# Altium PCB Anchor_PCB.PcbDoc
Units mm, origin at the board's own origin, x right, y up, seen from the top; angles counter-clockwise.
Board outline 91.95 x 85.98 mm, 2 copper layers (Top Layer, Bottom Layer); 130 components, 95 nets, 590 pads, 158 vias.
Unrouted connection lines stored in the file: 1.
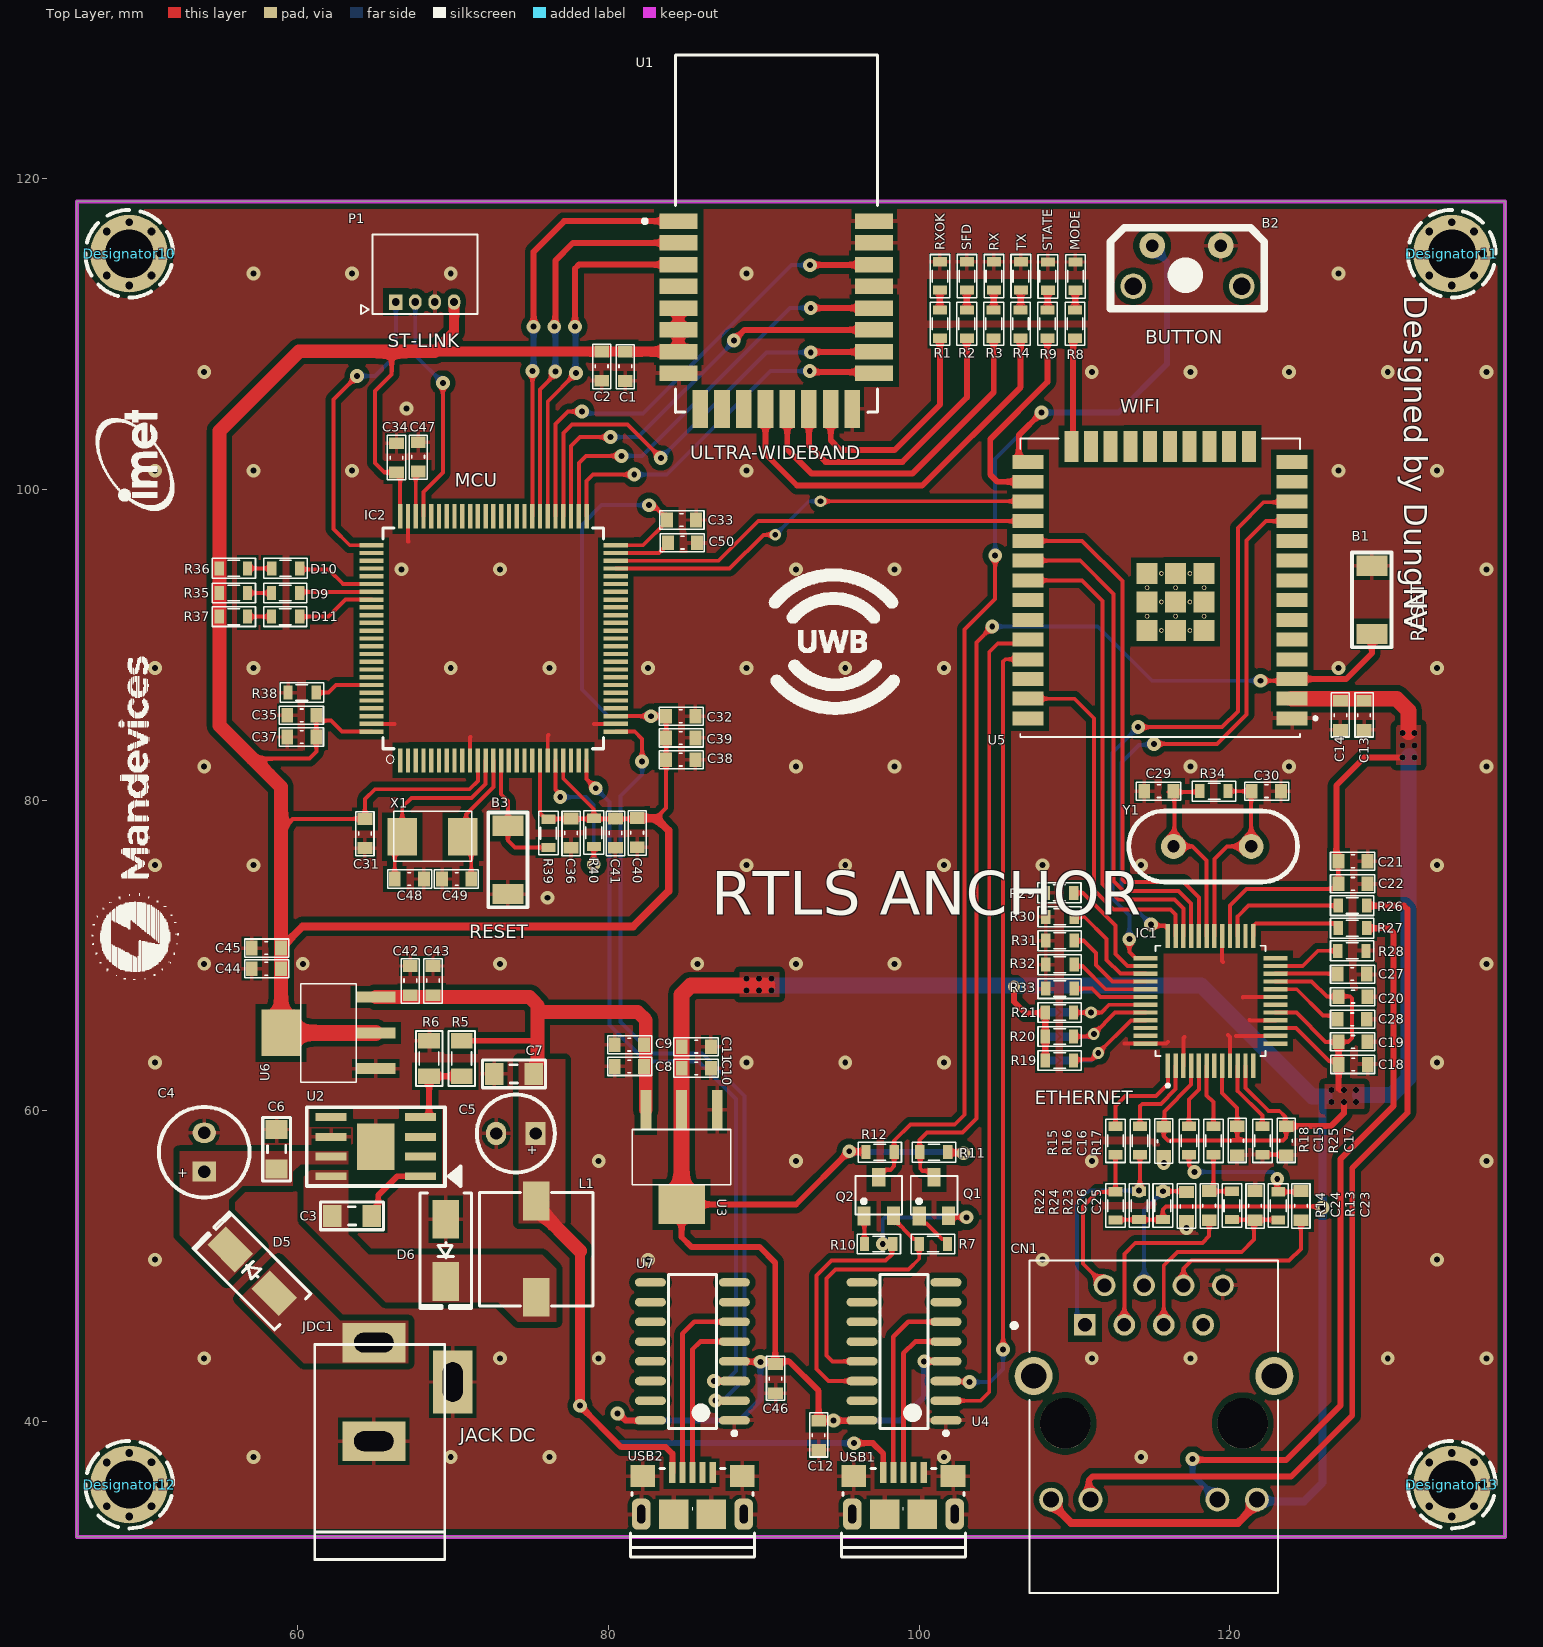
[diagram p0: Top Layer view]
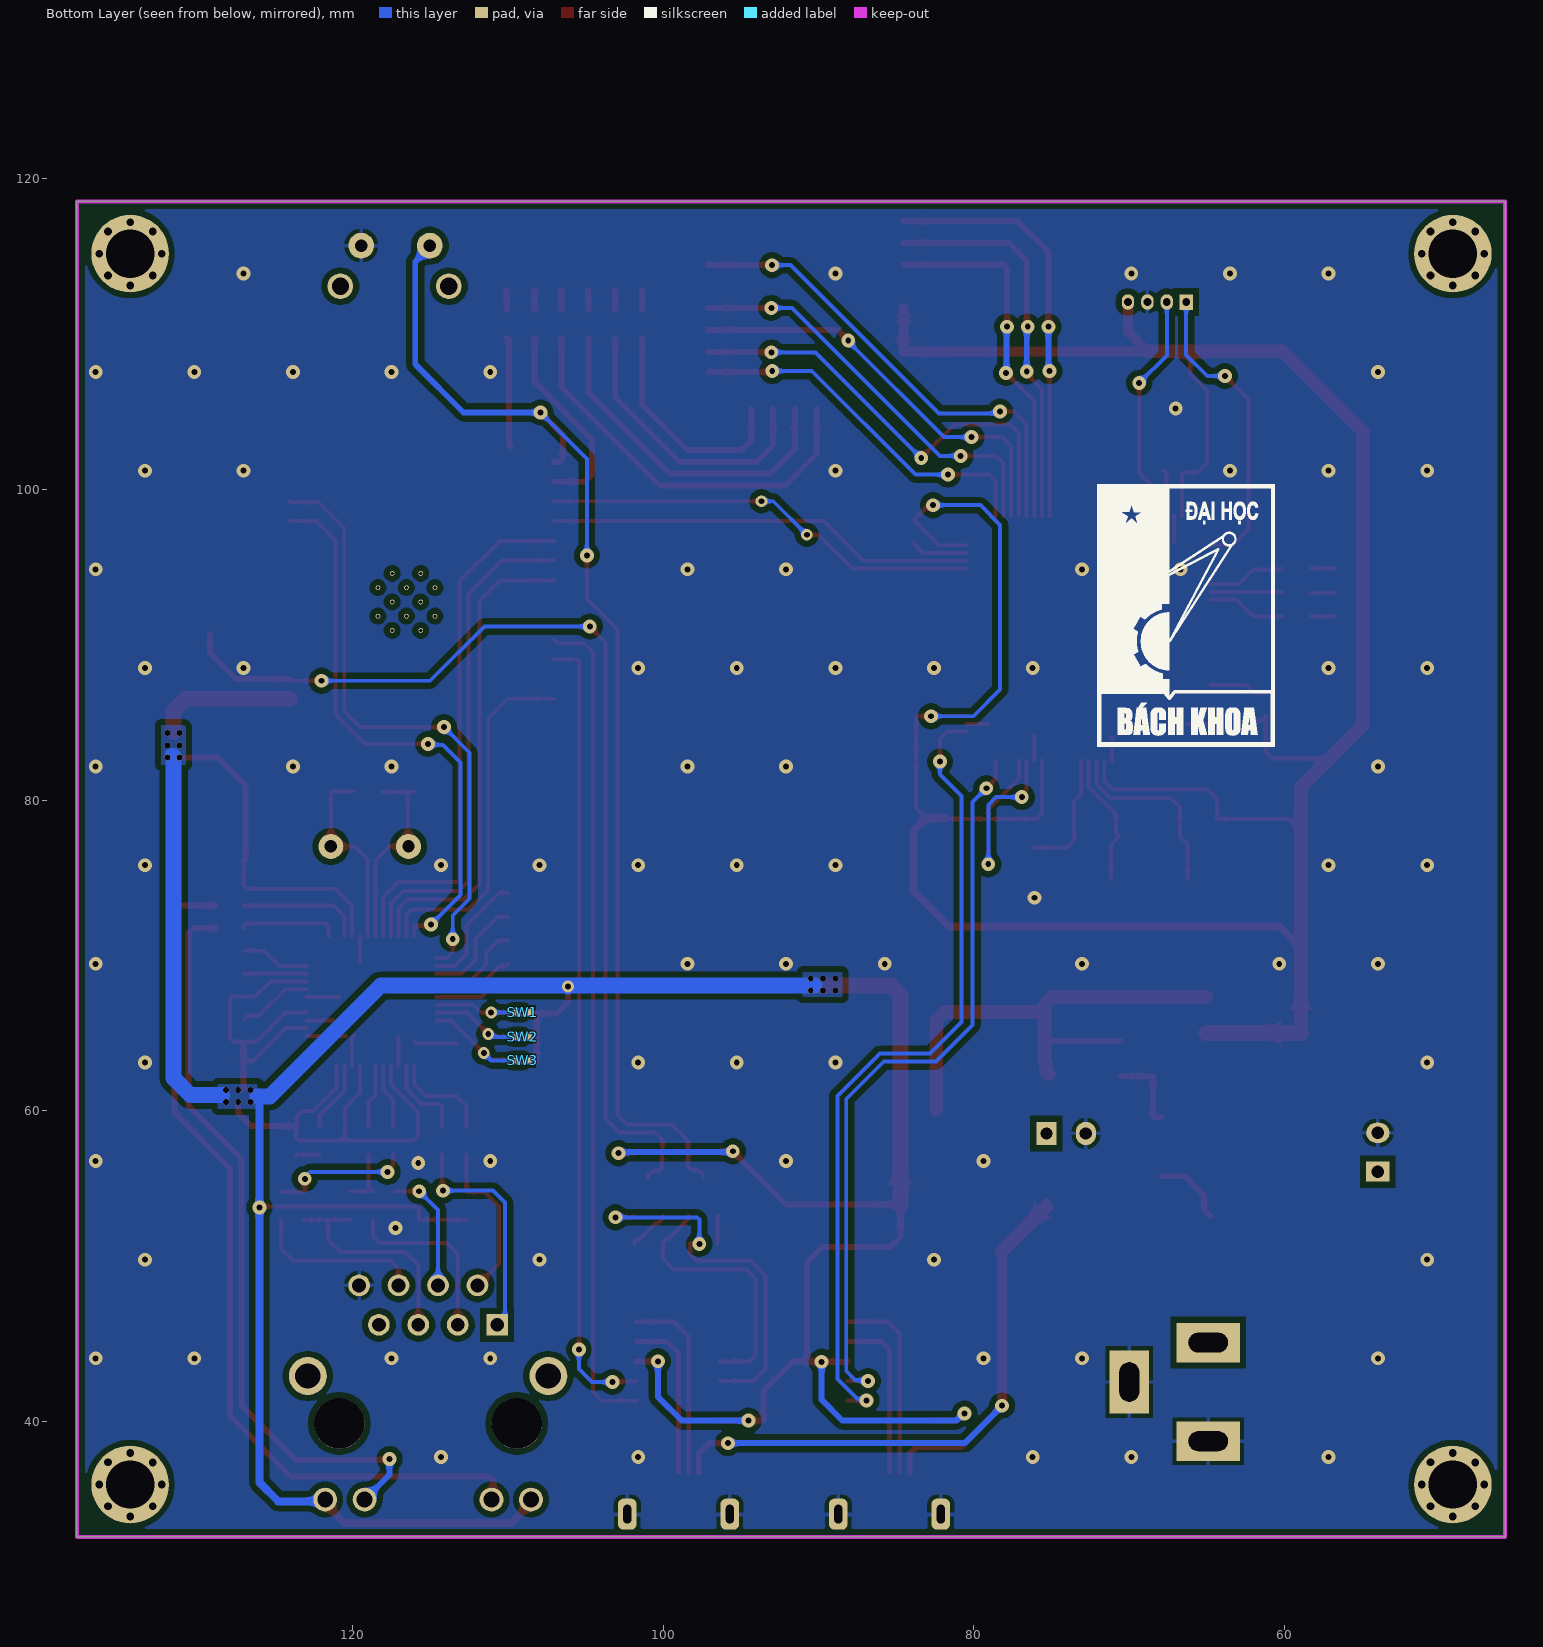
[diagram p1: Bottom Layer view, seen from below]
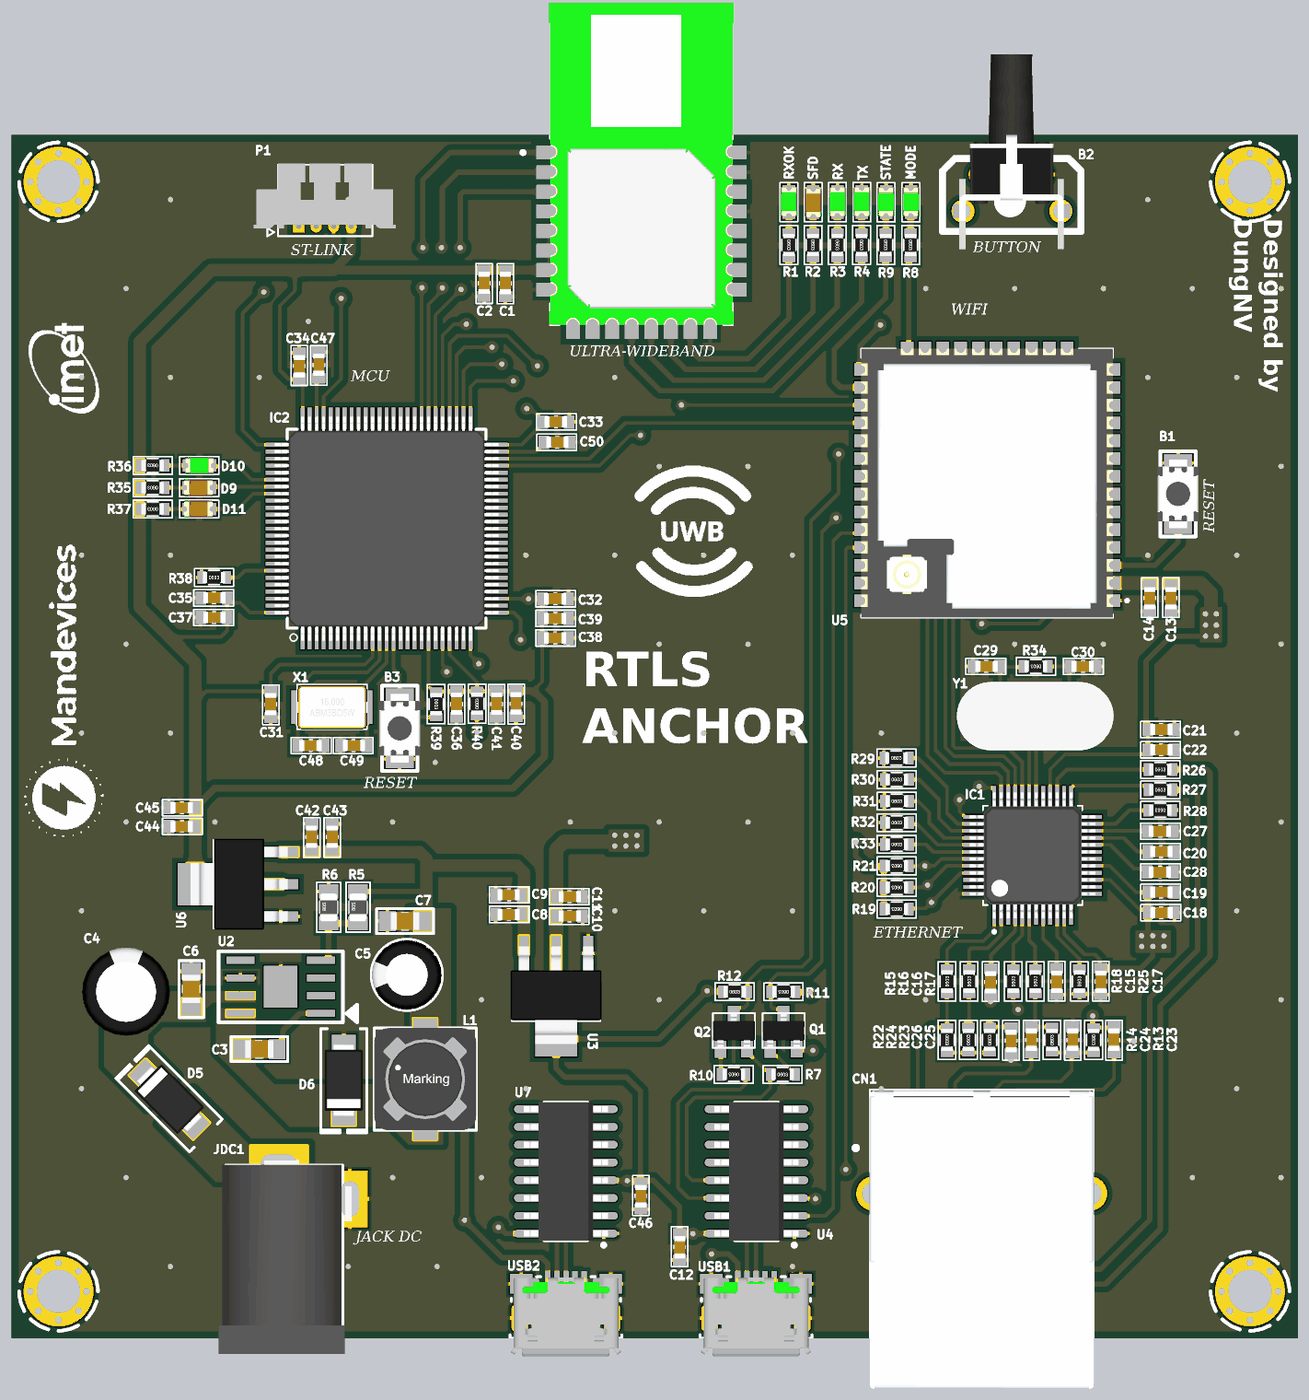
[diagram p2: 3D render of the assembled board from above, using the file's embedded part models]

## Layer stack, top to bottom
Top Solder: solder mask 0.0102, Solder Resist, Dk 3.5
Top Layer: signal copper 0.0356
Dielectric 1: dielectric 0.32, FR-4, Dk 4.8
Bottom Layer: signal copper 0.0356
Bottom Solder: solder mask 0.0102, Solder Resist, Dk 3.5

## Board outline
45.783,32.575 137.731,32.575 137.731,118.554 45.783,118.554

## Design rules (kind name [scope] priority, off if disabled: settings)
Clearance [All] p1: gap=0.203 ignorepadtopadclearanceinfootprint=TRUE except(0: Arc-Hole Track-Hole SMDPad-Hole THPad-Hole Via-Hole Fill-Hole Poly-Hole Region-Hole Text-Hole; 0.381: Arc-Fill Arc-Poly Arc-Region Track-Fill Track-Poly Track-Region SMDPad-Fill SMDPad-Poly SMDPad-Region THPad-Fill THPad-Poly THPad-Region Via-Fill Via-Poly Via-Region Fill-Fill Fill-Poly Fill-Region Poly-Poly Poly-Region Region-Region)
MinimumSolderMaskSliver [All] p1: minsoldermaskwidth=0
PolygonConnect PolygonConnect_GND [InNet('GND')] p1: thpad.connectstyle=Relief thpad.reliefconductorwidth=0.254 thpad.reliefentries=4 thpad.polygonreliefangle="90 Angle" thpad.airgapwidth=0.254 smdpad.connectstyle=Relief smdpad.reliefconductorwidth=0.254 smdpad.reliefentries=4 smdpad.polygonreliefangle="90 Angle" smdpad.airgapwidth=0.254 via.connectstyle=Direct via.reliefconductorwidth=0.254 via.reliefentries=4 via.polygonreliefangle="90 Angle" via.airgapwidth=0.254
PolygonConnect [All] p2: connectstyle=Direct reliefconductorwidth=0.254 reliefentries=4 polygonreliefangle="90 Angle" airgapwidth=0.254
RoutingVias [All] p1: holewidth=0.508 width=1.016 viastyle="Through Hole" minholewidth=0.254 minwidth=0.381 maxholewidth=0.762 maxwidth=1.27
SilkToSilkClearance [All] p1: silktosilkclearance=0
SilkToSolderMaskClearance [IsPad] p1: minsilkscreentomaskgap=0 clearancetoexposedcopper=TRUE
SolderMaskExpansion [All] p1: expansion=0.102 istentingtop=FALSE
Width [All] p1: maxlimit=2.54 minlimit=0.127 preferedwidth=0.254
27 further rules are at their usual default settings.

## Classes and differential pairs
component class U_STM32: B3 C31 C32 C33 C34 C35 C36 C37 C38 C39 C40 C41 C42 C43 C44 C45 C46 C47 C48 C49 C50 D9 D10 D11 IC2 P1 R35 R36 R37 R38 R39 R40 U6 U7 USB2 X1
component class U_ESP32: B1 B2 C8 C9 C10 C11 C12 C13 C14 MODE Q1 Q2 R7 R8 R9 R10 R11 R12 U3 U4 U5 USB1 WiFi
component class U_POWER: C3 C4 C5 C6 C7 D5 D6 JDC1 L1 R5 R6 U2
component class U_ETHERNET: C15 C16 C17 C18 C19 C20 C21 C22 C23 C24 C25 C26 C27 C28 C29 C30 CN1 IC1 R13 R14 R15 R16 R17 R18 R19 R20 R21 R22 R23 R24 R25 R26 R27 R28 R29 R30 R31 R32 R33 R34 SW1 SW2 SW3 Y1
component class U_DW1000: C1 C2 R1 R2 R3 R4 RX RXOK SFD TX U1

## Components (designator, comment, footprint, x,y, rotation, side; value= is the part's Value field where it differs from the comment)
B1 "Button 3x4x2.5" "Button 3x4x2.5" 129.159,92.9 r270 top
B2 "Button 3x4x2.5" "BUTTON NGHIENG" 117.653,115.456 r180 top
B3 "Button 3x4x2.5" "Button 3x4x2.5" 73.533,76.159 r90 top
C1 "10uF" CAP_0603 81.09,107.937 r90 top value=33p
C2 "100nF" CAP_0603 79.566,107.95 r90 top value=33p
C3 "10nF" CAP_0805 63.5,53.213 r180 top value=33p
C4 "100uF/50V" C8mm 53.975,57.34 r90 top
C5 "220uF/16V" C5mm 74.041,58.547 r180 top
C6 "4.7uF" CAP_0805 58.61,57.531 r90 top value=33p
C7 "100nF" CAP_0805 73.914,62.357 r180 top value=33p
C8 "10uF" CAP_0603 81.343,62.865 r180 top value=33p
C9 "100nF" CAP_0603 81.343,64.262 r180 top value=33p
C10 "10uF" CAP_0603 85.661,62.738 r0 top value=33p
C11 "100nF" CAP_0603 85.661,64.135 r0 top value=33p
C12 "100nF" CAP_0603 93.535,39.116 r270 top value=33p
C13 "100nF" CAP_0603 128.651,85.471 r270 top value=33p
C14 "10uF" CAP_0603 127.127,85.471 r270 top value=33p
C15 "100nF" CAP_0603 120.481,58.077 r270 top value=33p
C16 "100nF" CAP_0603 115.76,58.039 r270 top value=33p
C17 "100nF" CAP_0603 123.634,58.077 r270 top value=33p
C18 "100nF" CAP_0603 127.953,62.992 r0 top value=33p
C19 "100nF" CAP_0603 127.94,64.445 r0 top value=33p
C20 "100nF" CAP_0603 127.94,67.352 r0 top value=33p
C21 "100nF" CAP_0603 127.94,76.073 r0 top value=33p
C22 "22uF" CAP_0603 127.94,74.62 r0 top value=33p
C23 "6.8nF" CAP_0603 124.587,53.899 r90 top value=33p
C24 "10nF" CAP_0603 121.634,53.899 r90 top value=33p
C25 "6.8nF" CAP_0603 118.681,53.899 r90 top value=33p
C26 "6.8nF" CAP_0603 117.221,53.848 r270 top value=33p
C27 "10nF" CAP_0603 127.889,68.806 r180 top value=33p
C28 "4.7uF" CAP_0603 127.889,65.899 r180 top value=33p
C29 "18pF" CAP_0603 115.443,80.581 r0 top value=33p
C30 "18pF" CAP_0603 122.364,80.581 r180 top value=33p
C31 "100nF" CAP_0603 64.325,77.864 r90 top value=33p
C32 "100nF" CAP_0603 84.658,85.407 r180 top value=33p
C33 "100nF" CAP_0603 84.709,98.044 r180 top value=33p
C34 "100nF" CAP_0603 66.358,102.044 r270 top value=33p
C35 "100nF" CAP_0603 60.261,85.471 r0 top value=33p
C36 "100nF" CAP_0603 77.597,77.886 r90 top value=33p
C37 "4.7uF" CAP_0603 60.261,84.074 r0 top value=33p
C38 "100nF" CAP_0603 84.658,82.614 r180 top value=33p
C39 "1uF" CAP_0603 84.658,84.01 r180 top value=33p
C40 "100nF" CAP_0603 81.852,77.915 r90 top value=33p
C41 "1uF" CAP_0603 80.454,77.886 r90 top value=33p
C42 "10uF" CAP_0603 67.246,68.389 r90 top value=33p
C43 "100nF" CAP_0603 68.707,68.389 r90 top value=33p
C44 "10uF" CAP_0603 57.975,69.151 r180 top value=33p
C45 "100nF" CAP_0603 57.975,70.485 r180 top value=33p
C46 "100nF" CAP_0603 90.765,42.759 r270 top value=33p
C47 "2.2uF" CAP_0603 67.754,102.108 r90 top value=33p
C48 "22pF" CAP_0603 67.183,74.93 r180 top value=33p
C49 "22pF" CAP_0603 70.231,74.93 r0 top value=33p
C50 "2.2uF" CAP_0603 84.772,96.584 r0 top value=33p
CN1 "HR911105A" HR911105A 115.948,37.224 r180 top
D5 "SS34" "DIODE SMA" 57.069,49.674 r135 top value="Diode c?m 1N5408"
D6 "SS34" "DIODE SMA" 69.532,51.022 r270 top value="Diode c?m 1N5408"
D9 "RED" LED-0603-Red 59.245,93.345 r0 top value="LED 3 ly Single Colour"
D10 "GREEN" LED-0603-Green 59.335,94.958 r0 top value="LED 3 ly Single Colour"
D11 "YELLOW" LED-0603-Red 59.245,91.821 r0 top value="LED 3 ly Single Colour"
Designator10 "Comment" HOLD 49.149,115.189 r0 top
Designator11 "Comment" HOLD 134.302,115.189 r0 top
Designator12 "Comment" HOLD 49.149,35.941 r0 top
Designator13 "Comment" HOLD 134.302,35.941 r0 top
IC1 "W5500" W5500 118.3,67.183 r90 top
IC2 "STM32F407VET6" STM32F407VET6 71.945,90.614 r90 top
JDC1 "Jac DC" DC-IN 67.437,41.91 r90 top
L1 "22uH" L_SMD 75.501,50.8 r180 top value="150 mH"
MODE "BLUE" LED-0603-Green 110.045,113.855 r90 top value="LED 3 ly Single Colour" (schematic designator D7)
P1 "ST_LINK" HEADER4P-1.25 68.255,112.078 r0 top
Q1 "C1815" SOT23D 100.965,54.483 r0 top
Q2 "C1815" SOT23D 97.409,54.483 r0 top
R1 "330R" RES-SMD-0603 101.346,110.68 r270 top
R2 "330R" RES-SMD-0603 103.076,110.68 r270 top
R3 "330R" RES-SMD-0603 104.807,110.68 r270 top
R4 "330R" RES-SMD-0603 106.537,110.68 r270 top
R5 "10k" RES-SMD-0805 70.549,63.373 r90 top
R6 "3.3k" RES-SMD-0805 68.453,63.373 r90 top
R7 "10k" RES-SMD-0603 100.901,51.435 r0 top
R8 "330R" RES-SMD-0603 110.045,110.68 r270 top
R9 "330R" RES-SMD-0603 108.267,110.68 r270 top
R10 "10k" RES-SMD-0603 97.409,51.435 r180 top
R11 "10k" RES-SMD-0603 100.965,57.34 r180 top
R12 "10k" RES-SMD-0603 97.473,57.34 r0 top
R13 "49.9R" RES-SMD-0603 123.126,53.9 r270 top
R14 "49.9R" RES-SMD-0603 120.142,53.9 r90 top
R15 "33R" RES-SMD-0603 112.649,58.076 r90 top
R16 "33R" RES-SMD-0603 114.225,58.076 r90 top
R17 "33R" RES-SMD-0603 117.378,58.076 r90 top
R18 "33R" RES-SMD-0603 118.955,58.076 r90 top
R19 "10k" RES-SMD-0603 109.055,63.246 r180 top
R20 "10k" RES-SMD-0603 109.055,64.788 r180 top
R21 "10k" RES-SMD-0603 109.055,66.33 r180 top
R22 "49.9R" RES-SMD-0603 112.649,53.9 r270 top
R23 "10R" RES-SMD-0603 115.697,53.9 r90 top
R24 "49.9R" RES-SMD-0603 114.173,53.9 r90 top
R25 "12.4k" RES-SMD-0603 122.108,58.076 r90 top
R26 "330R" RES-SMD-0603 127.888,73.216 r0 top
R27 "330R" RES-SMD-0603 127.888,71.763 r0 top
R28 "10k" RES-SMD-0603 127.888,70.309 r180 top
R29 "10k" RES-SMD-0603 109.029,74.041 r0 top
R30 "10k" RES-SMD-0603 109.055,72.499 r0 top
R31 "10k" RES-SMD-0603 109.055,70.957 r0 top
R32 "10k" RES-SMD-0603 109.055,69.415 r0 top
R33 "10k" RES-SMD-0603 109.055,67.872 r0 top
R34 "1M" RES-SMD-0603 118.999,80.581 r180 top
R35 "1k" RES-SMD-0603 55.88,93.345 r180 top
R36 "1k" RES-SMD-0603 55.88,94.932 r180 top
R37 "1k" RES-SMD-0603 55.88,91.821 r180 top
R38 "100k" RES-SMD-0603 60.262,86.931 r0 top
R39 "10k" RES-SMD-0603 76.136,77.887 r270 top
R40 "0R" RES-SMD-0603 79.057,77.915 r90 top
RX "GREEN" LED-0603-Green 104.794,113.868 r90 top value="LED 3 ly Single Colour" (schematic designator D3)
RXOK "BLUE" LED-0603-Green 101.321,113.868 r90 top value="LED 3 ly Single Colour" (schematic designator D1)
SFD "RED" LED-0603-Red 103.083,113.792 r90 top value="LED 3 ly Single Colour" (schematic designator D2)
STATE "BLUE" LED-0603-Green 108.267,113.855 r90 top value="LED 3 ly Single Colour" (schematic designator D8)
SW1 "SW" SW 109.535,66.583 r90 bottom
SW2 "SW" SW 109.549,64.995 r90 bottom
SW3 "SW" SW 109.535,63.471 r90 bottom
TX "YELLOW" LED-0603-Green 106.531,113.868 r90 top value="LED 3 ly Single Colour" (schematic designator D4)
U1 "DWM1000" DW1000 90.788,116.484 r0 top
U2 "TPS5430" TPS5430-2 65.024,57.696 r180 top
U3 "LM1117-ADJ" LM1117-SOP 84.709,58.801 r180 top
U4 "CH340C" SO16 99.029,44.514 r180 top
U5 "ESP32-WROOM-32" ESP32_UE 115.731,87.177 r180 top
U6 "LM1117-ADJ" LM1117-SOP 63.754,65.024 r90 top
U7 "CH340C" SO16 85.407,44.514 r180 top
USB1 "USB Micro 5p DIP" "USB Micro 5p DIP" 98.996,34.036 r0 top
USB2 "USB Micro 5p DIP" "USB Micro 5p DIP" 85.414,34.036 r0 top
X1 "8Mhz" "XTAL 5032 SMD" 68.707,77.659 r0 top value=4Mhz
Y1 "25MHz" XTAL 118.935,77.025 r0 top

## Footprints (in the part's own frame and the unit in brackets; to place one, negate y for a bottom-side part, rotate by r counter-clockwise, add the part's x,y. Pads: shape width x height; smd on the part's side, far side on the other; paste and mask are expansions set on the pad)
"Button 3x4x2.5" [mm]
  rect 1.3x2 smd: 1(-2.2,0) 2(2.2,0)
  silkscreen extent -3.05,-1.27 3.05,1.27, body extent -2.45,-1.45 2.45,1.45, height 2
"BUTTON NGHIENG" [mil] "BUTTON NGHIENG"
  round 65 hole 43.31: 0(-123,93) 0(152,93)
  round 65 hole 31.5: 1(-70,-10) 2(104,-10)
  silkscreen extent -180,-55 210,150, body extent -150,-348 180,200, height 494
C5mm [mm]
  rect 1.3x1.5 hole 0.8: 1(-1.27,0)
  oval 1.3x1.5 hole 0.8: 2(1.27,0)
  silkscreen extent -2.51,-2.51 2.51,2.51, body extent -2.5,-2.5 2.49,2.5, height 11.01
C8mm [mm]
  rect 1.3x1.5 hole 0.8: 1(-1.25,0)
  oval 1.3x1.5 hole 0.8: 2(1.25,0)
  silkscreen extent -2.92,-2.92 2.92,2.92, body extent -3.15,-3.15 3.16,3.15, height 11.51
CAP_0603 [mil]
  rect 30x37.4 smd mask+3: 1(-37,0) 2(37,0)
  silkscreen extent -57,-23 55,23, body extent -30,-15 32,16, height 35
CAP_0805 [mm]
  rect 1.2x1.4 smd: 1(-1.27,-0.025) 2(1.27,-0.025)
  silkscreen extent -2.03,-0.91 2.03,0.86, body extent -1.01,-0.66 1.01,0.61, height 0.61
DC-IN [mil] "Jac DC input"
  rect 100x160 hole 50 slot 100 at 90 deg: 1(125,100) 2(-125,100)
  rect 160x100 hole 50 slot 100 at 0 deg: 3(25,-100)
  silkscreen extent -425,-80 120,250, body extent -410,-105 134,269, height 434
"DIODE SMA" [mm] "SMA"
  rect 2.5x1.7 smd: 1(-2,0) 2(2,0)
  silkscreen extent -3.68,-1.65 3.75,1.65, body extent -2.6,-1.37 2.6,1.37, height 2.4
DW1000 [mm]
  rect 2.45x1 smd paste+0 mask+0: 1(-6.27,0.8) 2(-6.27,-0.6) 3(-6.27,-2) 4(-6.27,-3.4) 5(-6.27,-4.8) 6(-6.27,-6.2) 7(-6.27,-7.6) 8(-6.27,-9) 17(6.32,-9) 18(6.32,-7.6) 19(6.32,-6.2) 20(6.32,-4.8) 21(6.32,-3.4) 22(6.32,-2) 23(6.32,-0.6) 24(6.32,0.8)
  rect 1x2.45 smd paste+0 mask+0: 9(-4.875,-11.295) 10(-3.475,-11.295) 11(-2.075,-11.295) 12(-0.675,-11.295) 13(0.725,-11.295) 14(2.125,-11.295) 15(3.525,-11.295) 16(4.925,-11.295)
  silkscreen extent -8.57,-11.5 6.53,11.5, body extent -6.57,-11.5 6.63,11.5, height 3.15
ESP32_UE [mm]
  rect 2x0.9 smd: 1(-8.285,1.91) 2(-8.285,0.64) 3(-8.285,-0.63) 4(-8.285,-1.9) 5(-8.285,-3.17) 6(-8.285,-4.44) 7(-8.285,-5.71) 8(-8.285,-6.98) 9(-8.285,-8.25) 10(-8.285,-9.52) 11(-8.285,-10.79) 12(-8.285,-12.06) 13(-8.285,-13.33) 14(-8.285,-14.6) 25(8.715,-14.6) 26(8.715,-13.33) 27(8.715,-12.06) 28(8.715,-10.79) 29(8.715,-9.52) 30(8.715,-8.25) 31(8.715,-6.98) 32(8.715,-5.71) 33(8.715,-4.44) 34(8.715,-3.17) 35(8.715,-1.9) 36(8.715,-0.63) 37(8.715,0.64) 38(8.715,1.91)
  rect 0.9x2 smd: 15(-5.5,-15.6) 16(-4.23,-15.6) 17(-2.96,-15.6) 18(-1.69,-15.6) 19(-0.42,-15.6) 20(0.85,-15.6) 21(2.12,-15.6) 22(3.39,-15.6) 23(4.66,-15.6) 24(5.93,-15.6)
  rect 1.33x1.33 smd: 39_1(-2.62,-3.755) 39_2(-0.785,-3.755) 39_3(1.05,-3.755) 39_4(-2.62,-5.59) 39_5(-0.785,-5.59) 39_6(1.05,-5.59) 39_7(-2.62,-7.425) 39_8(-0.785,-7.425) 39_9(1.05,-7.425)
  round 0.3 hole 0.2: 39_10(-1.702,-3.755) 39_11(0.133,-3.755) 39_12(-2.62,-4.673) 39_13(-0.785,-4.673) 39_14(1.05,-4.672) 39_15(-1.702,-5.59) 39_16(0.133,-5.59) 39_17(-2.62,-6.507) 39_18(-0.785,-6.508) 39_19(1.05,-6.507) 39_20(-1.702,-7.425) 39_21(0.133,-7.425)
  silkscreen extent -9.88,-16.1 9.22,3.11, body extent -8.78,-16.1 9.21,3.1, height 3.35
HEADER4P-1.25 [mm]
  rect 0.85x1 hole 0.5 mask+0.076: 1(-1.941,0)
  oval 0.8x1 hole 0.5 mask+0.076: 2(-0.691,0) 3(0.559,0) 4(1.809,0)
  silkscreen extent -4.19,-0.78 3.33,4.34, body extent -5.15,-0.23 5,4.42, height 3.8
HOLD [mm]
  round 5 hole 3.1: 0(0,0)
  round 0.5 hole 0.5: 2(-2.025,0) 2(-1.45,-1.4) 2(-1.45,1.425) 2(0,-2.05) 2(0,2.025) 2(1.429,-1.4) 2(1.429,1.434) 2(2,0)
  silkscreen extent -2.82,-2.82 2.82,2.82
HR911105A [mm]
  rect 1.398x1.398 / inner round 1.398 / far side rect 1.398x1.398 hole 0.89: 1(5.272,-9.004)
  round 1.398 hole 0.89: 2(4.002,-11.544) 3(2.732,-9.004) 4(1.462,-11.544) 5(0.192,-9.004) 6(-1.078,-11.544) 7(-2.348,-9.004) 8(-3.618,-11.544)
  round 1.53 hole 1.02: 9(7.447,2.246) 10(4.907,2.246) 11(-3.263,2.246) 12(-5.803,2.246)
  round 2.445 hole 1.63: 15(8.567,-5.704) 16(-6.923,-5.704)
  round 3.25 hole 3.25 unplated: ""(-4.893,-2.654) ""(6.537,-2.654)
  silkscreen extent -7.18,-13.13 9.97,8.27, body extent -7.2,-13.03 8.84,8.27, height 13.5
L_SMD [mm]
  rect 1.7x2.5 smd: 1(0.15,2.8) 2(0.15,-3.4)
  silkscreen extent -3.5,-3.95 3.8,3.35, body extent -3.5,-3.95 3.8,3.35, height 4.05
LED-0603-Green [mm]
  rect 0.6x0.9 smd: 1(-1.016,-0.025) 2(0.8,-0.025)
  silkscreen extent -1.52,-0.66 1.27,0.61, body extent -1.11,-0.65 0.91,0.6, height 1.1
LED-0603-Red [mm]
  rect 0.6x0.9 smd: 1(-0.94,0) 2(0.876,0)
  silkscreen extent -1.45,-0.64 1.35,0.64, body extent -1.11,-0.62 0.91,0.63, height 1.1
LM1117-SOP [mm]
  rect 0.7x2.54 smd: 1(-2.3,-1.27) 2(0,-1.27) 3(2.3,-1.27)
  rect 3x2.54 smd: 2(0,4.826)
  silkscreen extent -3.18,0 3.17,3.56, body extent -3.25,-1.78 3.25,5.18, height 1.68
RES-SMD-0603 [mm]
  rect 0.6x0.9 smd: 1(-0.889,0) 2(0.927,0)
  silkscreen extent -1.4,-0.64 1.4,0.64, body extent -0.8,-0.4 0.8,0.4, height 0.43
RES-SMD-0805 [mil]
  rect 39.37x55 smd: 1(-45,0) 2(45,0)
  silkscreen extent -70,-34 70,33, body extent -39,-25 39,25, height 31
SO16 [mm] "SOIC, 16-Leads, Body 9.90x3.91mm, Pitch 1.27mm, IPC Medium Density"
  oval 2x0.55 smd: 1(-2.7,4.445) 2(-2.7,3.175) 3(-2.7,1.905) 4(-2.7,0.635) 5(-2.7,-0.635) 6(-2.7,-1.905) 7(-2.7,-3.175) 8(-2.7,-4.445) 9(2.7,-4.445) 10(2.7,-3.175) 11(2.7,-1.905) 12(2.7,-0.635) 13(2.7,0.635) 14(2.7,1.905) 15(2.7,3.175) 16(2.7,4.445)
  silkscreen extent -2.83,-4.95 1.55,5.39, body extent -3,-4.95 3,4.95, height 1.4
SOT23D [mm] "SOT 23C - 1-3-2 - BCE"
  rect 0.85x1.2 smd: 1(-0.95,-1.25) 2(0.94,-1.245) 3(0,1.25)
  silkscreen extent -1.5,-1.14 1.5,1.32, body extent -1.5,-1.17 1.5,1.33, height 1.06
STM32F407VET6 [mm]
  rect 1.559x0.28 smd: 1(-8.049,5.353) 2(-8.049,4.853) 3(-8.049,4.353) 4(-8.049,3.853) 5(-8.049,3.353) 6(-8.049,2.853) 7(-8.049,2.353) 8(-8.049,1.853) 9(-8.049,1.353) 10(-8.049,0.853) 11(-8.049,0.353) 12(-8.049,-0.147) 13(-8.049,-0.647) 14(-8.049,-1.147) 15(-8.049,-1.647) 16(-8.049,-2.147) 17(-8.049,-2.647) 18(-8.049,-3.147) 19(-8.049,-3.647) 20(-8.049,-4.147) 21(-8.049,-4.647) 22(-8.049,-5.147) 23(-8.049,-5.647) 24(-8.049,-6.147) 25(-8.049,-6.647) 51(7.675,-6.65) 52(7.675,-6.15) 53(7.675,-5.65) 54(7.675,-5.15) 55(7.675,-4.65) 56(7.675,-4.15) 57(7.675,-3.65) 58(7.675,-3.15) 59(7.675,-2.65) 60(7.675,-2.15) 61(7.675,-1.65) 62(7.675,-1.15) 63(7.675,-0.65) 64(7.675,-0.15) 65(7.675,0.35) 66(7.675,0.85) 67(7.675,1.35) 68(7.675,1.85) 69(7.675,2.35) 70(7.675,2.85) 71(7.675,3.35) 72(7.675,3.85) 73(7.675,4.35) 74(7.675,4.85) 75(7.675,5.35)
  rect 0.28x1.559 smd: 26(-6.196,-8.526) 27(-5.696,-8.526) 28(-5.196,-8.526) 29(-4.696,-8.526) 30(-4.196,-8.526) 31(-3.696,-8.526) 32(-3.196,-8.526) 33(-2.696,-8.526) 34(-2.196,-8.526) 35(-1.696,-8.526) 36(-1.196,-8.526) 37(-0.696,-8.526) 38(-0.196,-8.526) 39(0.304,-8.526) 40(0.804,-8.526) 41(1.304,-8.526) 42(1.804,-8.526) 43(2.304,-8.526) 44(2.804,-8.526) 45(3.304,-8.526) 46(3.804,-8.526) 47(4.304,-8.526) 48(4.804,-8.526) 49(5.304,-8.526) 50(5.804,-8.526) 76(5.804,7.206) 77(5.304,7.206) 78(4.804,7.206) 79(4.304,7.206) 80(3.804,7.206) 81(3.304,7.206) 82(2.804,7.206) 83(2.304,7.206) 84(1.804,7.206) 85(1.304,7.206) 86(0.804,7.206) 87(0.304,7.206) 88(-0.196,7.206) 89(-0.696,7.206) 90(-1.196,7.206) 91(-1.696,7.206) 92(-2.196,7.206) 93(-2.696,7.206) 94(-3.196,7.206) 95(-3.696,7.206) 96(-4.196,7.206) 97(-4.696,7.206) 98(-5.196,7.206) 99(-5.696,7.206) 100(-6.196,7.206)